# KiCad board H.A.V.O.C. PCB V 1.0.kicad_pcb (continued)
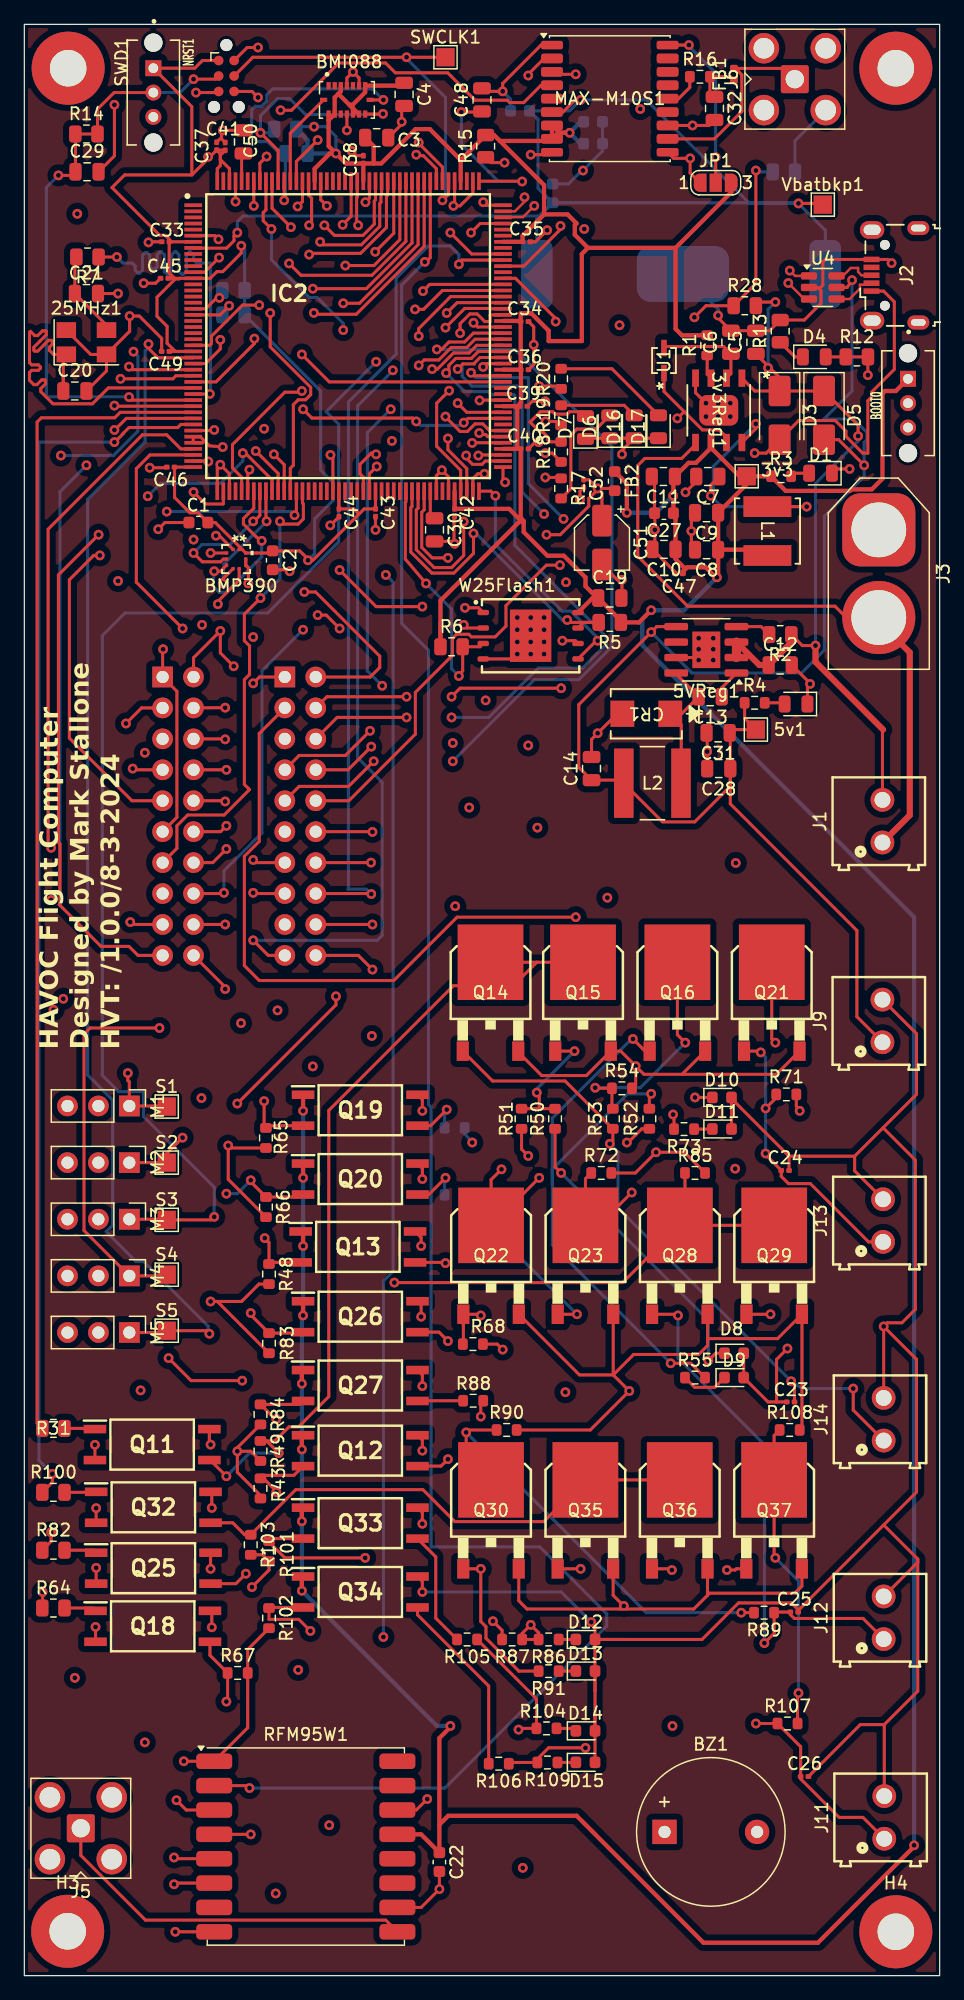
[diagram p0: board, top side]
## Routing (per net, layer and track width the routed paths; a pad name or vN(x,y) marks a point on that pad's centre or on a via; arc(x,y) is an arc through that point) (continued)
  In5.Cu w0.25: v1(44.05,143.65) 44.53,144.12 46.3,144.12 46.72,143.7 46.72,143.1 43.3,139.68 25.92,139.68 23.06,136.81 23.06,135.56 7.7,120.2 v1(7.7,114.5)
SERVO3: length 113.1
  Top w0.25: M3.1 11.3,62.1 11.35,62.05 S3.1 15.35,62.05 v1(15.6,62.3) ; IC2.95 38.21,126.85 37.66,127.4 37.03,127.4 36.4,126.77 35.8,126.77 34.6,127.97 v1(34.6,128)
  In3.Cu w0.25: v1(28.9,132.5) 28.9,131.7 32.25,128.35 34.25,128.35 v1(34.6,128)
  Bottom w0.25: v1(15.6,62.3) 15.6,64.72 9.8,70.52 9.8,72.57 7.75,72.57 6.4,73.92 6.4,110 8.27,111.88 20,111.88 25.82,117.7 25.82,127.38 24.8,128.4 v1(28.9,132.5)
SERVO4: length 112.3
  Top w0.25: v1(11.1,77.8) 5.4,77.8 4.9,77.3 4.9,61.17 M4.1 11.6,57.45 S4.1 ; v1(22.8,133.1) 25.05,130.85 IC2.103
  In3.Cu w0.25: 11.1,77.9 v1(11.1,77.8) 11,77.8 11.1,77.9 ; 11.1,77.9 11.1,80.6 7.6,84.1 7.6,113.37 8.42,114.2 8.42,117.07 7.6,117.9 v1(22.8,133.1)
SERVO5: length 99.7
  Top w0.25: M5.1 11.5,52.8 11.65,52.95 S5.1 14.95,52.95 v1(15.2,52.7) ; IC2.26 13.85,132.82 10.97,132.82 10.2,133.6 v1(10.2,133.95)
  Bottom w0.25: 15.1,52.7 v1(15.2,52.7) 15.2,52.6 15.1,52.7 ; 15.1,52.7 15.1,53.32 9.8,58.62 9.17,58.62 6.72,61.08 7.26,61.61 7.26,71.89 5.2,73.95 5.2,121.2 9.92,125.92 9.92,133.4 10.2,133.68 v1(10.2,133.95)
SPI1_CS: length 11
  Top w0.25: BMP390.6 16.3,114.66 v1(16.3,114.3) ; IC2.53 19.85,119.65 v1(19.9,119.4) 19.9,119.6
  Bottom w0.25: 16.4,114.5 v1(16.3,114.3) 16.4,115.9 v1(19.9,119.4)
SPI1_INT: length 19
  Top w0.25: IC2.46 16.35,120.85 16.32,120.82 14.88,120.82 v1(13.9,121.8) ; BMP390.7 17.65,114.58 15.9,112.83 v1(15.9,112.6)
  In2.Cu w0.25: v1(15.9,112.6) 14.3,114.2 14.3,116.17 14.62,116.5 14.62,118.12 16.1,119.6 v1(13.9,121.8)
SPI1_MISO: length 14.4
  Top w0.25: v1(15.6,115.3) 16.11,115.3 BMP390.5 ; v1(19.5,117.8) 19.07,118.1 18,119.17 18,119.63 18.85,120.48 IC2.51
  Bottom w0.25: 15.5,115.3 v1(15.6,115.3) 15.5,114.07 16,113.57 16.6,113.57 19.5,116.47 v1(19.5,117.8)
SPI1_MOSI: length 11.9
  Top w0.25: IC2.52 19.35,119.88 18.9,119.43 v1(18.8,119.4) 18.9,119.4 ; v1(13.9,116.8) 14.62,116.07 16.12,116.07 16.35,116.3 BMP390.4
  Bottom w0.25: v1(13.9,116.8) 14.59,117.49 16.89,117.49 v1(18.8,119.4)
SPI1_SCK: length 10.5
  Top w0.25: v1(18.49,123.64) 18.35,123.5 IC2.50 ; v1(15.74,118.22) 16.02,118.22 BMP390.2
  In3.Cu w0.25: v1(15.74,118.22) 16.12,118.22 18.2,120.3 18.2,123.35 v1(18.49,123.64)
SPI2_!CS: length 13.5
  Top w0.25: v1(34.8,116.4) 33.5,116.4 32.65,117.25 32.65,120.15 32.85,120.35 IC2.79 ; v1(36.2,112.3) 37.31,112.3 W25Flash1.1
  In3.Cu w0.25: v1(34.8,116.4) 34.8,113.7 v1(36.2,112.3)
SPI2_MISO: length 17
  Top w0.25: v1(37.8,123.3) 37.25,123.3 36.85,122.9 IC2.87 ; W25Flash1.2 36.36,110.64 v1(36.1,110.9)
  In2.Cu w0.25: v1(37.8,123.3) 37.8,112.6 v1(36.1,110.9)
SPI2_MOSI: length 19.5
  Top w0.25: IC2.88 38.32,121.88 v1(38.7,121.5) ; W25Flash1.5 46.99,109.6 v1(47.1,109.6)
  Bottom w0.25: v1(38.7,121.5) 38.7,117.5 44.17,112.02 44.9,112.02 47.1,109.83 v1(47.1,109.6)
SPI2_SCK: length 34.8
  Top w0.25: W25Flash1.6 45.26,109.6 v1(44.2,109.6) ; IC2.78 32.35,120.48 32.2,120.33 32.2,117.07 33.67,115.6 35.1,115.6 36.1,116.6 v1(36.1,119.38)
  In2.Cu w0.25: v1(44.2,109.6) 44.2,108.25 43.55,107.6 38.3,107.6 35.38,110.52 35.38,112.5 36.1,113.23 36.1,119.37 v1(36.1,119.38)
SPI3_CS: length 158.2
  Top w0.25: IC2.139 34.35,148.49 32.4,150.44 v1(32.4,150.5) 32.34,150.5 ; RFM95W1.5 12.4,9.6 v1(12.3,9.7)
  In2.Cu w0.25: 12.3,9.8 v1(12.3,9.7) 12.3,9.8 ; 12.3,9.8 12.3,10.6 v1(29.5,27.8) ; v1(32.4,150.5) 32.17,150.5 29.2,147.53 29.62,147.1 29.62,132.2 29.2,131.77 29.2,125.62 29.7,125.12 v1(29.7,115)
  Bottom w0.25: v1(29.7,115) 30.3,114.4 30.3,57.83 29.5,57.03 v1(29.5,27.8) 29.4,27.9
SPI3_INT: length 143.7
  Top w0.25: v1(26.2,137.3) 27.53,137.3 32.35,142.12 IC2.143 ; v1(33.1,14.5) 32.2,13.6 RFM95W1.14
  In5.Cu w0.25: v1(33.1,14.5) 33.88,15.28 33.88,116.3 33.38,116.8 33.38,127.8 34.3,128.72 34.6,128.72 34.6,128.9 v1(26.2,137.3)
SPI3_MISO: length 169.9
  Top w0.25: 33,140.7 33.35,141.05 IC2.141 ; 33,140.7 v1(32.9,140.7) 32.9,140.6 33,140.7 ; v1(18.5,15.4) 18.3,15.6 RFM95W1.2
  Bottom w0.25: v1(32.9,140.7) 31,138.8 31,111.02 33.2,108.82 33.2,71.53 33.42,71.3 33.42,35.2 42.35,35.2 47.85,29.7 47.85,28.7 34.55,15.4 v1(18.5,15.4)
SPI3_MOSI: length 150.3
  Top w0.25: RFM95W1.3 13.3,13.6 v1(12.5,14.4) ; v1(23.79,136.51) 23.9,136.4 27.27,136.4 32.85,141.98 IC2.142
  In2.Cu w0.25: v1(20.8,79.25) 20.8,81.5 17.6,84.7 17.6,91.6 19.7,93.7 19.7,108.66 24.02,112.99 24.02,116.5 23.65,116.88 23.65,136.38 v1(23.79,136.51)
  In5.Cu w0.25: v1(20.8,79.25) 20.15,79.25 13.82,72.92 13.82,15.72 v1(12.5,14.4)
SPI3_RST: length 169.8
  Top w0.25: v1(12.3,7.5) 12.4,7.6 RFM95W1.6 ; IC2.144 31.85,142.25 28.1,138.5 v1(23.7,138.5)
  In3.Cu w0.25: v1(23.7,138.5) 19.2,138.5 17.87,137.17 17.87,132.82 17.17,132.82 14.51,130.16 14.51,129.46 4.2,119.15 4.2,83.67 10.8,77.07 13.52,77.07 16.77,73.82 16.77,71.3 15.88,70.4 15.88,63.9 16.55,63.22 16.55,41.98 15.88,41.3 15.88,40.7 16.3,40.28 16.3,23.22 15.88,22.8 15.88,11.07 v1(12.3,7.5)
SPI3_SCK: length 153
  Top w0.25: IC2.140 33.85,148.35 32.8,149.4 v1(32.2,149.5) 32.2,149.4 ; v1(18.6,11.6) RFM95W1.4
  In2.Cu w0.25: v1(18.6,11.6) 33.72,26.72 33.72,114.6 31.2,117.13 31.2,137.97 33.62,140.4 33.62,148.07 v1(32.2,149.5)
SPI5_CS: length 66.2
  Top w0.25: v1(16.4,88.9) 16.34,88.84 J7.16 ; IC2.30 15.75,130.85 18.9,134 v1(18.9,134.4)
  In2.Cu w0.25: v1(19.7,127) 19.7,133.6 v1(18.9,134.4)
  In5.Cu w0.25: v1(22.9,110.5) 20.5,112.9 20.5,118.48 20.3,118.67 18.5,118.67 17.22,119.95 17.22,124.15 16.6,124.77 16,124.77 15.57,125.2 15.57,125.8 17.4,127.62 19.07,127.62 v1(19.7,127)
  Bottom w0.25: v1(22.9,110.5) 19.52,107.12 19.52,93.82 16.4,90.7 v1(16.4,88.9)
SPI5_MISO: length 62.2
  Top w0.25: IC2.28 8.85,131.85 v1(8.6,132.1) ; J7.17 8.9,86.3 v1(8.7,86.5)
  In5.Cu w0.25: v1(8.7,86.5) 4,86.5 v1(2.2,88.3) ; v1(8.6,132.1) 7.87,132.1 5.1,129.33 v1(5.1,124)
  Bottom w0.25: v1(2.2,88.3) 2.92,89.02 2.92,121.82 v1(5.1,124)
SPI5_MOSI: length 61.7
  Top w0.25: v1(6.1,118.3) 2.8,115 2.8,93.03 2.92,92.9 2.92,88 2.86,87.94 6.3,84.5 8.6,84.5 9.34,83.76 J7.19 ; IC2.29 12.45,131.35 12.2,131.1 v1(7.9,131.1)
  In6.Cu w0.25: v1(7.9,131.1) 7.9,130.43 6.1,128.63 v1(6.1,118.3)
SPI5_SCK: length 94.6
  Top w0.25: J7.18 v1(16.5,86.3) ; v1(16.1,134.3) 16.1,133.55 14.9,132.35 IC2.27
  GND w0.25: 3.4,80 v1(3.2,80.2)
  In2.Cu w0.25: v1(3.2,80.2) 2.55,80.85 2.92,81.22 2.92,92.9 2.55,93.28 2.55,124.35 v1(3,124.8)
  In5.Cu w0.25: v1(8.97,133.33) 10,132.3 14.1,132.3 v1(16.1,134.3) ; 3.4,80 17.4,80 17.4,85.4 v1(16.5,86.3)
  Bottom w0.25: v1(8.97,133.33) 9.32,132.97 9.32,126.8 7.33,124.8 v1(3,124.8)
SWCLK: length 33.1
  Top w0.25: SWCLK1.1 v1(31.4,157.5) 18.77,157.5 SWD1.4 ; IC2.138 34.85,146.25 v1(34.35,145.75)
  Bottom w0.25: 31.3,157.5 v1(31.4,157.5) 31.4,157.4 34.6,154.2 34.6,146 v1(34.35,145.75)
SWDIO: length 30.5
  Top w0.25: v1(19.2,158.3) 18.3,158.3 SWD1.2 ; IC2.132 37.95,145.35 v1(37.7,145.6)
  In2.Cu w0.25: v1(37.7,145.6) 37.7,150.1 29.5,158.3 v1(19.2,158.3)
SWO: length 16.2
  Top w0.25: v1(22.45,145.25) 22.85,145.65 IC2.162 ; SWD1.6 18.71,154.69 v1(19.2,154.2)
  In2.Cu w0.25: v1(22.45,145.25) 22.85,145.65 22.85,152.45 21.1,154.2 v1(19.2,154.2) 19.2,154.1
UART4_RX: length 33
  Top w0.25: IC2.42 10.32,124.85 9.2,123.73 9.2,114.4 v1(13,110.6) ; J7.6 16.46,101.54 v1(16.5,101.5)
  In6.Cu w0.25: v1(16.5,101.5) 15.07,102.92 15.07,108.52 v1(13,110.6)
UART4_TX: length 59.5
  Top w0.25: v1(2.2,92.6) 1.95,92.85 1.95,118.75 9.7,126.5 11.7,126.5 12.85,125.35 IC2.41 ; J7.14 15.48,91.38 v1(16.6,92.5)
  GND w0.25: v1(2.2,92.6) 2.2,92.55
  In5.Cu w0.25: v1(2.2,92.6) 16.54,92.55 v1(16.6,92.5)
UART5_RX: length 42.5
  Top w0.25: MAX-M10S1.2 42.7,157.4 41.4,156.1 v1(41.4,156) ; v1(34.9,130.12) 33.88,129.1 33.88,125.56 35.85,123.59 IC2.85
  In3.Cu w0.25: v1(34.9,130.12) 37.82,130.12 40.17,132.47 40.17,154.88 41.3,156 v1(41.4,156) 41.4,156.1
UART5_TX: length 45
  Top w0.25: IC2.86 36.35,123.72 34.8,125.27 v1(34.8,126.2) ; v1(45.3,156.1) 43.55,156.1 MAX-M10S1.3
  In3.Cu w0.25: v1(34.8,126.2) 35.9,126.2 49.1,139.4 49.1,152.3 v1(45.3,156.1)
USB_D+: length 28.8
  Top w0.2: v1(41.09,146.01) 41.09,145.64 40.3,144.85 IC2.131 ; U4.1 63.32,139.55 v1(62.89,139.99)
  In2.Cu w0.2: v1(62.89,139.99) 62.11,140.77 61.81,141.07 61.81,141.09 61.63,141.27 61.49,141.41 61.49,141.97 61.34,142.12 60.78,142.12 56.89,146.01 v1(41.09,146.01)
USB_D-: length 29
  Top w0.2: v1(41.89,145.3) 40.97,144.38 39.92,144.38 39.9,144.35 IC2.130 ; v1(62.76,138.96) 64.07,137.65 U4.3
  In2.Cu w0.2: v1(62.76,138.96) 62.76,139.12 61.61,140.27 61.31,140.57 60.99,140.89 59.84,142.04 56.32,145.56 42.15,145.56 v1(41.89,145.3)
USB_D_Connector+: length 3.6
  Top w0.2: J2.3 68.78,139.6 68.5,139.88 68.5,140.2 67.9,140.2 67.25,139.55 U4.6
USB_D_Connector-: length 3.6
  Top w0.2: J2.2 69.59,138.95 69.46,138.82 68.65,138.82 68.65,138.5 67.8,137.65 U4.4
V_DETECT: length 114.9
  Top w0.25: 60.1,148.1 v1(60.1,148.2) 60.1,148.1 ; 60.1,148.1 60.1,138.93 R28.1 56,137.1 v1(55.05,136.15) ; IC2.58 22.35,120.05 v1(22.2,119.9)
  In2.Cu w0.25: v1(55.05,136.15) 50.47,140.72 40.92,140.72 34.25,147.4 34.25,150.28 29.42,155.1 16.03,155.1 11.8,150.87 11.8,120.3 v1(11.7,120.2)
  Bottom w0.25: R29.1 60.21,148.09 v1(60.1,148.2) ; v1(22.2,119.9) 21.9,120.2 v1(11.7,120.2)
Net-(3v3Reg1-SW): length 23
  Top w0.25: v1(60.1,127.4) 60.1,127.01 3v3Reg1.8 ; 64.49,120.61 v1(64.28,120.61) L1.1 ; C7.1 56.4,122.38 v1(56.4,121.5)
  Bottom w0.25: v1(64.28,120.61) 57.29,120.61 v1(56.4,121.5) 56.6,121.7 56.6,123.9 v1(60.1,127.4)
Net-(5VReg1-BST): length 2.4
  Top w0.25: 5VReg1.1 57.3,105.74 C13.1
Net-(5VReg1-PGOOD): length 3.4
  Top w0.25: 60.86,110.43 60.53,110.75 5VReg1.4 ; 60.86,110.43 R2.2 60.86,110.43
Net-(5VReg1-SW): length 11.7
  Top w0.25: 5VReg1.8 53.56,106.84 C13.2 54,103.6 CR1.1 53.97,102.7 53.97,97.92 L2.2
Net-(25MHz1-Pad3): length 7.1
  Top w0.25: 25MHz1.3 6.75,135.5 C21.1 4.15,140.97 R7.2
Net-(C32-Pad1): length 3.9
  Top w0.25: FB1.1 58.01,155.9 R16.2 56.32,154.62 C32.1
Net-(D1-A): length 1.6
  Top w0.25: R3.2 63.25,123.35 D1.2
Net-(D2-A): length 1.7
  Top w0.25: 62.41,104.45 D2.2 62.41,104.45 ; 62.41,104.45 62.36,104.5 R4.2
Net-(D4-K): length 2.4
  Top w0.25: D4.1 63.3,132.9 R13.1
Net-(D6-A): length 9.4
  Top w0.25: R17.2 44.9,122.07 44.9,126.47 45.4,126.97 46.97,126.97 D6.2
Net-(D7-A): length 8.7
  Top w0.25: D7.2 45.74,128.4 44.8,128.4 44.6,128.2 43.6,128.2 43.4,128.4 42.4,128.4 41.55,127.55 42.38,126.72 42.6,126.72 43.03,126.3 43.03,126.07 43.17,125.92 R18.2 44.1,126.04
Net-(D8-K): length 25.8
  Top w0.25: D8.1 56.8,51.1 v1(56.2,50.5) ; R50.1 43.6,66.4 v1(44.1,65.9)
  Bottom w0.25: v1(44.1,65.9) 56.2,53.8 v1(56.2,50.5)
Net-(D9-K): length 3.9
  Top w0.25: D9.1 56.72,48.3 55.07,48.3 R55.1
Net-(D10-K): length 30.6
  Top w0.25: R68.1 38.85,51.85 v1(39.3,51.4) ; D10.1 v1(55.1,72.1)
  In2.Cu w0.25: 55.1,72 55.1,67.2 v1(39.3,51.4) ; 55.1,72 v1(55.1,72.1) 55.1,72
Net-(D11-K): length 1.5
  Top w0.25: R73.1 56.51,69.5 D11.1
Net-(D12-K): length 1.4
  Top w0.25: R86.1 D12.1
Net-(D13-K): length 1.4
  Top w0.25: 45.31,25 D13.1 45.31,25 ; 45.31,25 45.3,25 R91.1
Net-(D14-K): length 1.8
  Top w0.25: 45.21,20.2 D14.1 45.21,20.2 ; 45.21,20.2 45.11,20.3 R104.1
Net-(D15-K): length 1.5
  Top w0.25: 45.31,17.5 D15.1 45.31,17.5 ; 45.31,17.5 45.3,17.5 R109.1
Net-(D16-A): length 6.3
  Top w0.25: R19.2 49.28,128.93 D16.2
Net-(D17-A): length 9.6
  Top w0.25: R20.2 48.28,131.93 D17.2
Net-(IC2-VCAP_1): length 2.4
  Top w0.25: IC2.80 33.35,120 C30.1
Net-(IC2-VCAP_2): length 14.2
  Top w0.25: v1(35.9,153) 37.55,153 C48.1 ; v1(40.9,147.3) 40.88,147.32 IC2.133
  Bottom w0.25: v1(40.9,147.3) 38.95,147.3 35.9,150.35 v1(35.9,153)
Net-(IC2-VCAP_3): length 2.3
  Top w0.25: C50.1 17.85,149.45 IC2.172
Net-(J5-In): length 30.8
  Top w0.25: RFM95W1.9 29.69,4.56 9.95,4.56 4.64,9.87 J5.1
Net-(J6-In): length 16.5
  Top w0.25: FB1.2 58.53,156.35 58.64,156.35 ; 58.64,156.35 58.94,156.06 58.94,153.05 56.69,150.8 MAX-M10S1.11 ; 58.64,156.35 58.41,156.58 62.41,156.58 J6.1
Net-(J13-Pin_1): length 24.8
  Top w0.25: 60.9,67.4 v1(60.9,67.5) 60.8,67.5 60.9,67.4 ; 60.9,67.4 62.19,66.11 C24.1 62.19,65.61 62.78,65.02 64.57,65.02 69.36,60.24 J13.1 ; R71.1 61.78,72.07 v1(60.9,71.2) ; Q21.1 60.4,75.9 v1(60.5,75.8)
  Bottom w0.25: 60.4,75.9 v1(60.5,75.8) 60.9,75.4 v1(60.9,71.2) v1(60.9,67.5)
Net-(MAX-M10S1-VCC_RF): length 3.1
  Top w0.25: R16.1 54.67,155.03 53.75,154.1 MAX-M10S1.14
Net-(Q11-A): length 2.5
  Top w0.25: R31.2 5.74,44.93 Q11.1
Net-(Q11-E): length 69.3
  Top w0.25: v1(20.9,42.9) 19.9,43.9 R49.1 20.59,43.9 21.75,45.06 22.53,45.06 25.01,47.54 25.01,71.03 35.25,81.27 40.17,81.27 42.1,83.2 ; 42.1,83.2 Q15.2 ; 42.1,83.2 Q14.2 ; Q11.3 15.27,42.33 v1(16.6,41)
  Bottom w0.25: v1(16.6,41) 18.5,42.9 v1(20.9,42.9)
Net-(Q12-E): length 32.9
  Top w0.25: Q12.3 34.23,41.83 v1(34.8,42.4) ; R51.2 40.85,67.85 v1(41.4,67.3)
  In2.Cu w0.25: v1(41.4,67.3) 41.1,67 41.1,56.77 34.8,50.47 v1(34.8,42.4) 34.8,42.5
Net-(Q13-E): length 29.8
  Top w0.25: 49.6,68.4 49.5,68.3 v1(49.5,68.4) 49.6,68.4 ; 49.6,68.4 50.72,69.52 R52.2 ; Q13.3 34.54,58.56 v1(34.6,58.5)
  In3.Cu w0.25: v1(49.5,68.4) 48.78,69.12 36.42,69.12 35.32,68.02 35.32,59.22 v1(34.6,58.5)
Net-(Q14-D): length 54.6
  Top w0.25: Q14.1 38.47,73.45 44.42,73.45 R53.1 48.35,68.55 v1(48.1,68.3) ; v1(63,48.8) 63.28,48.53 63.28,47.1 ; J14.1 68.1,46.43 v1(68.1,48.2)
  Bottom w0.25: v1(63,48.8) 63.9,48.2 v1(68.1,48.2) ; v1(63,48.8) 48.78,63.02 48.78,67.62 v1(48.1,68.3) ; v1(63,48.8) 63.2,48.9
Net-(Q15-D): length 10.4
  Top w0.25: v1(42.1,72.5) 42.3,72.3 42.3,71.17 ; 42.3,71.17 R51.1 ; 42.3,71.17 R50.2 ; Q15.1 v1(45.2,75.9)
  Bottom w0.25: v1(42.1,72.5) 42.1,72.8 v1(45.2,75.9)
Net-(Q16-D): length 51.8
  Top w0.25: 53.1,50.3 v1(53.1,50.28) 54.75,50.28 R55.2 ; v1(51.5,72.4) 51.35,72.25 R52.1 ; Q16.1 51,75.9 v1(50,76.9)
  Bottom w0.25: 43.38,66.2 43.38,70.4 49.88,76.9 v1(50,76.9) ; 43.38,66.2 43.38,65 ; 43.38,66.2 43.38,65 ; 43.38,66.2 49.57,72.4 v1(51.5,72.4) ; 43.38,65 43.38,60 v1(53.1,50.28)
Net-(Q16-G): length 21.8
  Top w0.25: v1(46.9,72.9) 46.95,72.85 R54.1 48.28,71.25 R53.2 ; 53.65,80.3 53.65,80.3 Q16.2 ; 53.65,80.3 53.65,77.25 v1(54.3,76.6) ; 53.65,80.3 53.65,83.2
  Bottom w0.25: v1(54.3,76.6) 50.6,72.9 v1(46.9,72.9)
Net-(Q18-A): length 2.6
  Top w0.25: R64.2 5.62,30.18 Q18.1
Net-(Q18-E): length 107.8
  Top w0.25: v1(42.3,65.5) 38.4,61.6 Q22.2 38.35,65.35 v1(39.2,66.2) ; Q18.3 15.25,26.3 R67.1 16.7,22.6 v1(16.6,22.5) ; Q21.2 61.41,76.89 v1(61.7,76.6)
  In2.Cu w0.25: v1(61.7,76.6) 60.67,77.62 49.7,77.62 39.2,67.13 v1(39.2,66.2)
  In6.Cu w0.25: v1(42.3,65.5) 42.3,48.2 30,35.9 30,30.5 22,22.5 v1(16.6,22.5)
Net-(Q19-E): length 4.5
  Top w0.25: Q19.3 33.38,69.78 v1(34.7,71.1)
  Bottom w0.25: v1(34.7,71.1) 34.52,70.92 R69.2
Net-(Q20-E): length 4.4
  Top w0.25: 34.5,65.4 v1(34.6,65.5) 34.5,65.4 ; 34.5,65.4 33.23,64.13 Q20.3
  Bottom w0.25: v1(34.6,65.5) 34.52,65.42 R70.2
Net-(Q22-D): length 20.9
  Top w0.25: R68.2 36.07,51.89 36.07,53.45 ; 36.07,53.45 36.07,53.45 Q22.1 ; 36.07,53.45 36.07,54.3 37.4,54.3 v1(37.5,54.2)
  In3.Cu w0.25: v1(36.8,68.4) 36.8,66.67 37.5,65.97 v1(37.5,54.2)
  Bottom w0.25: R69.1 36.17,69.12 v1(36.8,68.4) 36.7,68.6
Net-(Q23-D): length 36.1
  Top w0.25: R73.2 53.38,70.62 v1(53.3,70.7) ; Q23.1 v1(45.4,54.3)
  In3.Cu w0.25: v1(53.3,70.7) 45.4,62.8 v1(45.4,54.3)
  Bottom w0.25: R70.1 36.17,63.52 v1(45.4,54.3)
Net-(Q23-G): length 27.7
  Top w0.25: 63.7,71.1 63.42,71.38 R71.2 ; 63.7,71.1 63.8,71 v1(63.7,71) 63.7,71.1 ; v1(49.9,64.3) 47.2,61.6 Q23.2 46.1,65.42 R72.1
  In3.Cu w0.25: v1(63.7,71) 61.1,68.4 54,68.4 v1(49.9,64.3)
Net-(Q25-A): length 2.7
  Top w0.25: R82.2 5.69,34.93 Q25.1
Net-(Q25-E): length 69.8
  Top w0.25: Q29.2 Q28.2 53.85,61.6 ; R85.1 54.28,62.27 53.85,61.85 53.85,61.6 ; v1(18.2,33) 17.38,32.18 Q25.3 ; 53.85,61.6 49.15,56.9 v1(30.4,56.9)
  In3.Cu w0.25: v1(18.2,33) 18.2,33.72 30.4,45.92 v1(30.4,56.9)
Net-(Q26-E): length 29.6
  Top w0.25: v1(34.8,52.1) 34.07,52.83 Q26.3 ; v1(38.5,29.1) 39.25,28.35 R87.2
  In3.Cu w0.25: v1(34.8,52.1) 35.52,51.38 35.52,31.28 37.7,29.1 v1(38.5,29.1)
Net-(Q27-E): length 3.8
  Top w0.25: R88.2 32.32,47.2 Q27.3
Net-(Q28-D): length 44.9
  Top w0.25: J12.1 68.91,29.32 63.26,29.32 62.94,29.65 C25.1 61.65,29.85 R89.1 61.6,28.1 v1(60.8,27.3) ; 51.57,54.3 Q28.1 53.6,54.3 v1(53.7,54.2)
  Bottom w0.25: v1(60.8,27.3) 60.8,43.6 53.7,50.7 v1(53.7,54.2)
Net-(Q29-D): length 39.9
  Top w0.25: Q29.1 v1(61.3,54.3) ; 40.9,28.1 v1(41.6,28.8) 42.25,28.15 R86.2 R87.1 40.9,28.1
  In3.Cu w0.25: v1(41.6,28.8) 41.6,34.6 v1(61.3,54.3)
Net-(Q30-D): length 26.7
  Top w0.25: v1(37.5,33.4) 37.4,33.4 ; v1(37.5,33.4) 37.5,29.07 37.92,28.65 37.92,27.7 40.63,25 R91.2 ; v1(37.5,33.4) 37.4,33.4 ; 37.4,33.4 Q30.1 ; v1(37.5,45.9) 37.5,47 R88.1
  In3.Cu w0.25: v1(37.5,33.4) v1(37.5,45.9)
Net-(Q30-G): length 38.7
  Top w0.25: R90.1 36.5,44.8 v1(36.3,44.6) 36.3,42.74 37.32,41.72 ; R89.2 59,29.8 ; 59,29.8 v1(58.9,29.8) 59,29.8 ; 37.32,41.72 Q30.2 37.32,41.72
  Bottom w0.25: v1(36.3,44.6) 51.1,29.8 v1(58.9,29.8)
Net-(Q32-A): length 2.6
  Top w0.25: Q32.1 5.86,39.68 R100.2
Net-(Q32-E): length 43
  Top w0.25: Q36.2 Q35.2 42.67,37.28 35.37,37.28 32.74,39.9 22.3,39.9 R103.1 18.1,36.2 17.12,37.18 Q32.3
Net-(Q33-E): length 9.6
  Top w0.25: R105.2 33.8,29.35 33.8,34.38 Q33.3
Net-(Q34-E): length 15.3
  Top w0.25: R106.2 38.15,23.78 32.3,29.63 Q34.3
Net-(Q35-D): length 38.1
  Top w0.25: J11.1 68.9,12.99 66.94,12.99 63.78,16.15 C26.1 63.78,18.79 R107.1 v1(60.1,20.7) ; Q35.1 v1(45.7,33.4)
  In3.Cu w0.25: v1(60.1,20.7) 57.45,20.7 45.7,32.45 v1(45.7,33.4)
Net-(Q36-D): length 30.8
  Top w0.25: v1(40.6,20.2) 40.7,20.3 R104.2 42.07,22.72 R105.1 ; Q36.1 53.1,33.4 v1(53.2,33.3)
  In2.Cu w0.25: v1(53.2,33.3) 53.2,32.8 v1(40.6,20.2)
Net-(Q37-D): length 28.2
  Top w0.25: R106.1 39.9,17.5 41.86,17.5 ; 41.86,17.5 43.07,18.7 v1(46.1,18.7) ; 41.86,17.5 R109.2 ; v1(57.72,33.3) 58.4,33.3 58.49,33.4 Q37.1
  In2.Cu w0.25: v1(57.72,33.3) 57.72,30.33 v1(46.1,18.7)
Net-(Q37-G): length 25.1
  Top w0.25: v1(63.6,23.2) 63.53,23.12 R107.2 ; v1(61.7,34.3) 61.6,34.4 Q37.2 61.6,44.35 R108.1
  Bottom w0.25: v1(63.6,23.2) 63.6,32.4 v1(61.7,34.3)

## Copper pours and planes (outline as drawn; the poured copper is in the pictures)
GND on GND: 0,160.2 75,160 75,0.2 0.2,0.2
GND on GND2: 0,160.2 75,160 75,0.2 0.2,0.2
(no net) on Top, Bottom, In2.Cu, In3.Cu: 0,160.2 75,160 75,0.2 0.2,0.2

## Text on the board
B.Silkscreen: Created for the Kent State University High Power Rocket Team. / Project Files: https://github.com/emCoderMan/H.A.V.O.C / Please start a discussion on the github with any results files you log, I want to continue developing this project. / -Mark Stallone / www.linkedin.com/in/mark-stallone-46122424a
F.Silkscreen: HAVOC Flight Computer / Designed by Mark Stallone / HVT: /1.0.0/8-3-2024
